# Altium PCB novena_evt1_a.PcbDoc (part 12 of 12)
Units mm, origin at the board's own origin, x right, y up, seen from the top; angles counter-clockwise.
Board outline 121 x 150 mm, 10 copper layers (Top, L2-GND, L3, L4, L5-PWR, L6-PWR, L7, L8, L9-GND, Bot), stack 1.621 mm thick; 951 components, 714 nets, 4891 pads, 2105 vias.
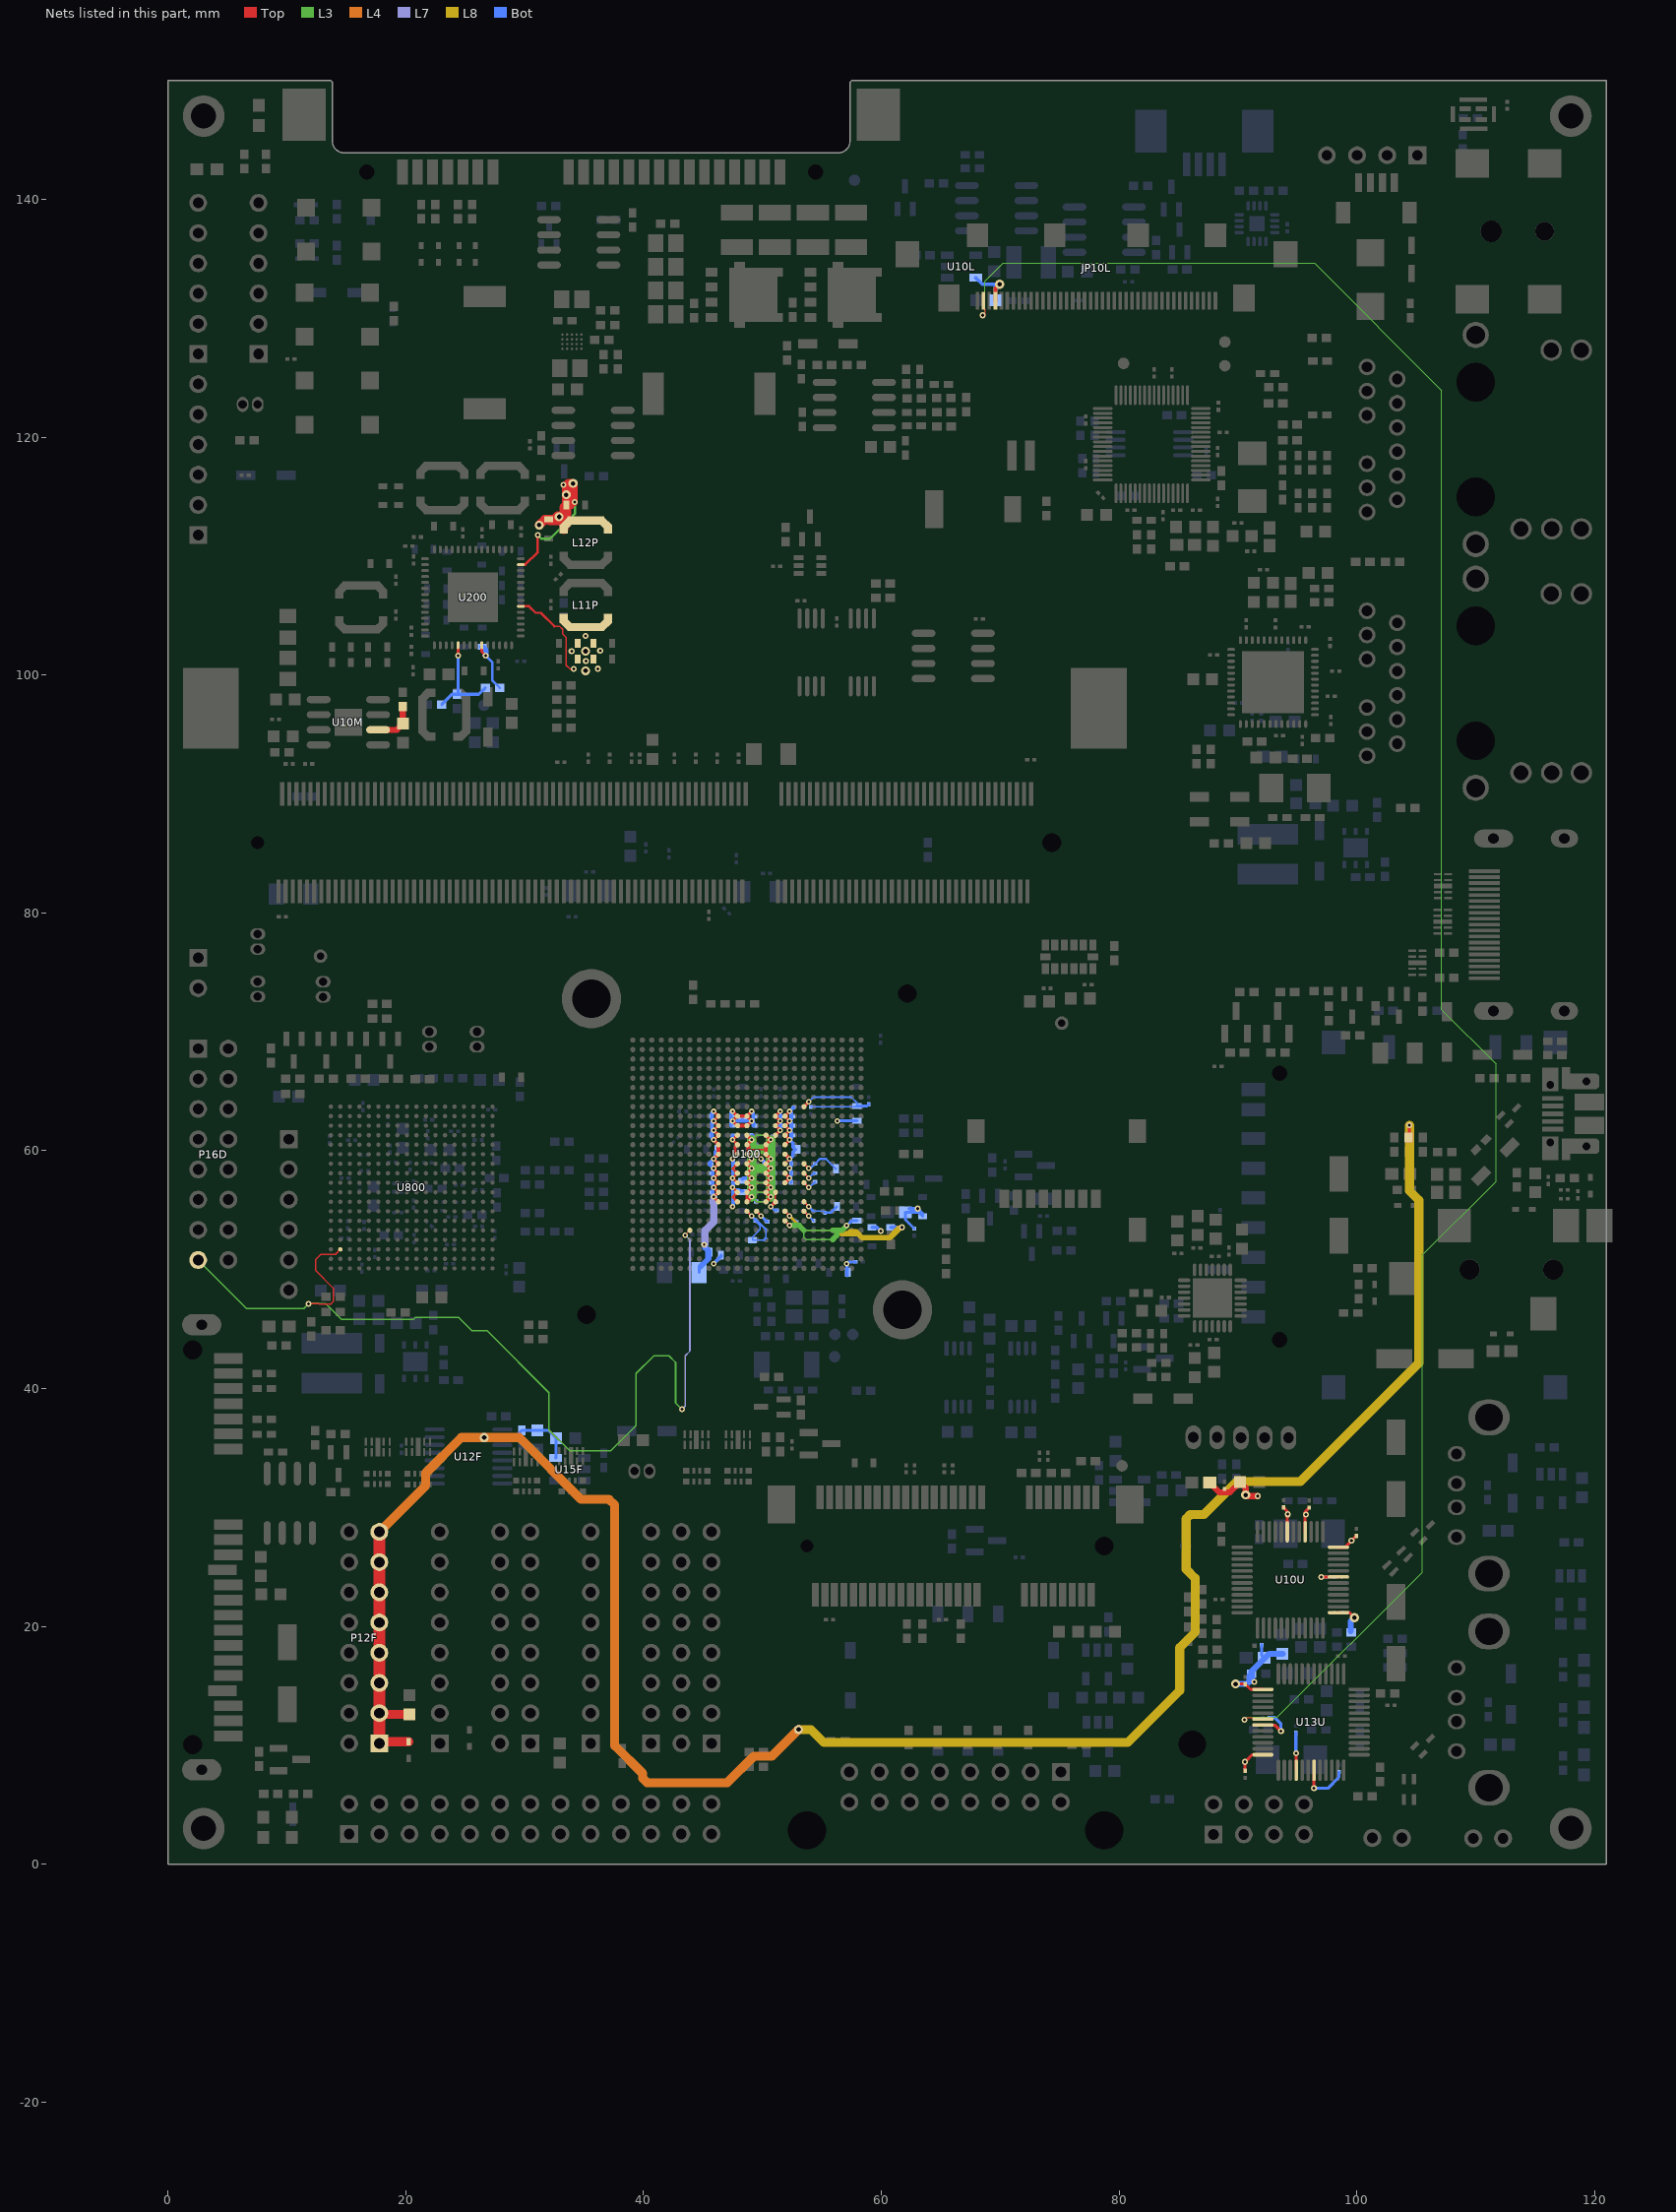
[diagram p20: the nets of this part, all layers, seen from the top]

## Via types
v1: diameter 0.508, hole 0.254, Top to Bot, tented both sides, 940 vias
v2: diameter 0.457, hole 0.203, Top to Bot, tented both sides, 793 vias
v3: diameter 0.762, hole 0.381, Top to Bot, tented both sides, 325 vias
v4: diameter 0.66, hole 0.33, Top to Bot, tented both sides, 23 vias
v5: diameter 0.66, hole 0.33, Top to Bot, tented top, 16 vias
v6: diameter 0.5, hole 0.254, Top to Bot, tented both sides, 8 vias

## Nets (pads, with @x,y where several pads share a name; then routed paths per layer and width w, separated by ;. In a path a pad name is that pad's centre, name@x,y a point inside that pad or via, vN(x,y) a via of type N, cw(c..) or ccw(c..) an arc to the next point about the centre after c; other vN are vias at no path point) (continued)
USB_VID_P: JP10L.40 U13U.6 | length 173.1
  Top w0.095: JP10L.40@68.6,131.475 68.6,130.842 68.75,130.692 v1@68.75,130.217 ; v1@90.525,12.346 91.204,12.346 91.35,12.2 U13U.6@92.1,12.2
  L3 w0.101: v1@68.734,130.275 68.734,133.1 70.259,134.625 96.425,134.625 107.125,123.925 107.125,71.85 111.7,67.275 111.7,57.4 105.516,51.216 105.516,24.55 93.316,12.35 90.575,12.35 v1@90.55,12.325
  other v1: 90.55,12.15 68.536,130.245
USB_VID_P5V: C16L.1 JP10L.38 U10L.5 | length 5.6
  Top w0.305: JP10L.38@69.6,131.475 69.6,132.5 v3(69.95,132.85)
  Bot w0.305: U10L.5@67.95,133.4 68.5,132.85 69.525,132.85 ; C16L.1@69.6,131.5 69.6,132.425 ; v3@69.925,132.75 69.6,132.425 ; v3(69.95,132.85) 69.525,132.85 ; 69.525,132.85 69.6,132.775 69.6,132.425
USBA_P3.3VA: C12U.1 C13U.1 C14U.1 C15U.1 C16U.1 C17U.1 C18U.1 L10U.2 R13U.1 U10U.1 U10U.7 U10U.12 U10U.16 U10U.19 | length 18.4
  Top w0.254: C16U.1@93.825,30 94.15,29.675 U10U.19@94.15,27.95 ; U10U.16@95.65,27.95 95.65,29.625 C17U.1@96,29.975 ; v1(97,24.15) U10U.7@98.45,24.15 ; U10U.1@98.45,21.15 99.375,21.15 v3(99.8,20.725) ; U10U.12@98.45,26.65 99,26.65 C14U.1@99.95,27.6
  Top w0.508: L10U.2@87.625,32.075 88.425,31.275 89.325,31.275 C18U.1@90.175,32.125 90.65,31.65 v3(90.65,31.05) 90.75,30.95 v1(91.675,30.95)
  Bot w0.254: v1(97,24.15) C12U.1@98.15,24.15 ; C15U.1@98.75,21.15 99.375,21.15 v3(99.8,20.725)
  Bot w0.508: R13U.1@99.5,19.6 99.5,20.425 v3(99.8,20.725)
  other v1: 99.55,27.2 95.725,29.4 94.175,29.425
USBB_P3.3VA: C39U.1 C40U.1 C41U.1 C42U.1 C43U.1 C44U.1 C45U.1 L13U.2 R31U.1 U13U.1 U13U.7 U13U.12 U13U.16 U13U.19 | length 23.3
  Top w0.254: v3@89.925,15.15 C42U.1@90.6,15.15 91.05,14.7 U13U.1@92.1,14.7 ; C43U.1@90.6,7.85 v1(90.6,8.6) 91.2,9.2 U13U.12@92.1,9.2 ; U13U.7@92.1,11.7 93.1,11.7 v1(93.625,11.175) ; U13U.16@94.9,7.9 v1(94.9,9.325) ; v1(96.4,6.375) U13U.19@96.4,7.9
  Bot w0.254: C41U.1@92,18.45 92,17.55 L13U.2@92.2,17.35 ; C44U.1@92.675,12.325 93.1,12.325 93.625,11.8 v1(93.625,11.175) ; C40U.1@94.875,11.05 94.875,9.35 v1(94.9,9.325) ; v1(96.4,6.375) 97.55,6.375 98.5,7.325 C39U.1@98.5,7.75
  Bot w0.508: v3(89.8,15.15) 90.75,15.15 90.95,15.35 ; C45U.1@93.75,17.7 92.65,17.7 91.15,16.2 R31U.1@91.15,16 ; 90.95,15.35 90.95,15.8 R31U.1@91.15,16 ; 90.95,15.35 91.15,15.55 R31U.1@91.15,16
  other v1: 91.375,15.325
VANA: C68F.1 C69F.1 C70F.1 C72F.2 D18F.1 P12F.1 P12F.3 P12F.5 P12F.7 P12F.9 P12F.11 P12F.13 P12F.15 R28A.2 U12F.2 U15F.5 | length 192.2
  Top w0.254: R28A.2@104.35,61.1 104.425,61.175 v1(104.425,62.125)
  Top w0.762: P12F.1@17.78,10.16 17.92,10.3 D18F.1@20.25,10.3 ; P12F.3@17.78,12.7 17.88,12.6 C72F.2@20.3,12.6
  Top w1.016: P12F.1@17.78,10.16 P12F.3@17.78,12.7 P12F.5@17.78,15.24 P12F.7@17.78,17.78 P12F.9@17.78,20.32 P12F.11@17.78,22.86 P12F.13@17.78,25.4 P12F.15@17.78,27.94
  L4 w0.762: P12F.15@17.78,27.94 21.675,31.835 21.675,32.875 24.675,35.875 v3(26.6,35.875) 29.55,35.875 34.75,30.675 37.1,30.675 37.575,30.2 37.575,9.975 39.925,7.625 39.925,7.225 40.3,6.85 47.05,6.85 49.275,9.075 50.8,9.075 v3(53.05,11.325)
  L8 w0.762: v3(53.05,11.325) 54.075,11.325 55.175,10.225 80.725,10.225 85.1,14.6 85.1,18.2 86.4,19.5 86.4,24.05 85.65,24.8 85.65,29.05 86,29.4 87.125,29.4 89.9,32.175 95.25,32.175 105.225,42.15 105.225,55.825 104.425,56.625 v1(104.425,62.125)
  Bot w0.254: v3(26.6,35.875) 26.625,35.9 U12F.2@28.125,35.9 29.2,35.9 C69F.1@29.775,36.475 C68F.1@31.075,36.475 32,36.475 C70F.1@32.65,35.825 32.65,34.2 U15F.5@32.6,34.15
VCC_1.2V_SW1AB: C13C.1 C14C.1 C15C.1 C16C.1 C17C.1 C18C.1 C30C.1 C31C.1 C32C.1 C32P.1 C33C.1 C33P.1 C34C.1 C34P.1 C35P.1 C89C.1 C90C.1 C91C.1 C92C.1 C93C.1 L11P.1 U100.H14 U100.J14 U100.K9 U100.K14 U100.L9 U100.L14 U100.M9 U100.M14 U100.N9 U100.N14 U100.P9 U100.P14 U100.R9 U100.R14 U100.T9 U100.U9 U200.6 | length 34.9
  Top w0.119: U100.M9@51.9,58.9 v2(52.3,59.3)
  Top w0.127: 32.5,104.1 32.933,104.1 33.2,103.833 33.2,103.45 33.5,103.15 33.5,101.425 33.5,100.825 33.825,100.5 v1(34.125,100.5)
  Top w0.203: U200.6@29.675,105.775 30.372,105.775 30.922,105.225 31.375,105.225 32.5,104.1 ; L11P.1@33.143,104.593 L11P.1@33.3,104.75
  Top w0.254: v2(47.5,56.9) U100.J14@47.9,56.5 47.5,56.1 U100.H14@47.9,55.7 ; v2(47.5,59.3) U100.N14@47.9,59.7 47.709,59.891 47.709,60.309 U100.P14@47.9,60.5 v2(47.5,60.9) U100.R14@47.9,61.3 ; U100.K14@47.9,57.3 v2(47.5,57.7) U100.L14@47.9,58.1 47.5,58.5 U100.M14@47.9,58.9 ; U100.P9@51.9,60.5 v2(52.3,60.9) U100.R9@51.9,61.3 v2(52.3,61.7) U100.T9@51.9,62.1 v2(52.3,62.5) U100.U9@51.9,62.9 v2(52.3,63.3)
  Top w0.305: U100.K9@51.9,57.3 v2(52.3,57.7) U100.L9@51.9,58.1 ; U100.N9@51.9,59.7 v2(52.3,59.3)
  Bot w0.254: v2(52.3,59.3) 52.433,59.167 52.433,58.633 v2(52.3,58.5) 52.433,58.367 52.433,57.833 v2(52.3,57.7) 52.433,57.567 C92C.1@52.433,57.3
  Bot w0.305: v2(45.9,50.5) 46.525,51.125 C17C.1@46.525,51.2 ; v2(47.5,55.3) 47.55,55.35 C31C.1@47.55,55.7 C32C.1@47.55,56.5 47.55,59.25 v2(47.5,59.3) ; v2(47.5,60.9) 47.5,61.167 47.525,61.142 C90C.1@47.525,61.3 ; 47.65,56.675 47.995,56.675 48.066,56.603 C18C.1@48.323,56.603 ; v2(52.3,59.3) 52.562,59.562 52.562,59.889 52.766,60.094 52.562,60.298 52.562,60.638 v2(52.3,60.9) 52.433,61.033 52.433,61.567 v2(52.3,61.7) 52.433,61.833 52.433,62.367 v2(52.3,62.5) 52.433,62.633 52.433,63.167 v2(52.3,63.3) 52.3,63.325 C89C.1@52.625,63.65
  other v1: 36.15,100.525 35.15,101.175 33.95,102 36.35,102.025 35.125,103.275
  other v3: 35.125,100.35 35.125,102
VCOREDIG: C46P.1 R15P.2 U200.51 | length 5.1
  Top w0.254: U200.51@26.4,102.5 26.4,101.95 v1(26.725,101.625)
  Bot w0.203: v1(26.725,101.625) 27.275,101.075 27.275,99.55 R15P.2@27.9,98.925
  Bot w0.508: C46P.1@26.425,102.375 26.725,102.075 v1(26.725,101.625)
VDD_ARM_CAP: C10C.1 C11C.1 C12C.1 C19C.1 C20C.1 C21C.1 C22C.1 C23C.1 C24C.1 C26C.1 C27C.1 C29C.1 U100.H11 U100.H13 U100.J11 U100.J13 U100.K11 U100.K13 U100.L11 U100.L13 U100.M11 U100.M13 U100.N11 U100.N13 U100.P11 U100.P13 U100.R11 U100.R13 | length 72
  Top w0.127: 48.828,60.075 48.853,60.1 50.3,60.1
  Top w0.254: U100.N13@48.7,59.7 v2(49.1,59.3) U100.M13@48.7,58.9 v2(49.1,58.5) U100.L13@48.7,58.1 v2(49.1,57.7) U100.K13@48.7,57.3 v2(49.1,56.9) U100.J13@48.7,56.5 U100.H13@48.7,55.7 v2(49.1,56.1)
  Top w0.305: U100.N13@48.7,59.7 48.828,59.828 48.828,60.075 48.828,60.372 U100.P13@48.7,60.5 v2(49.1,60.9) U100.R13@48.7,61.3 ; U100.H11@50.3,55.7 U100.H11@50.309,55.7 ; U100.R11@50.3,61.3 v2(50.7,60.9) U100.P11@50.3,60.5 50.3,60.1 U100.N11@50.3,59.7 v2(50.7,59.3) U100.M11@50.3,58.9 v2(50.7,58.5) U100.L11@50.3,58.1 v2(50.7,57.7) U100.K11@50.3,57.3 v2(50.7,56.9) U100.J11@50.3,56.5 50.303,56.5 U100.J11@50.403,56.4 ; U100.J11@50.309,56.5 v2(50.709,56.1) U100.H11@50.309,55.7 ; U100.H11@50.403,55.791 50.312,55.7 U100.H11@50.309,55.7
  L3 w0.127: v2(49.1,56.1) 49.5,55.7 49.825,55.7 49.831,55.706 50.315,55.706 v2(50.709,56.1) ; 49.1,56.5 50.709,56.5 ; 49.1,57.3 50.709,57.3 ; v2(49.1,60.9) 49.494,61.294 50.306,61.294 v2(50.7,60.9)
  L3 w0.762: v2(49.1,56.1) 49.1,56.5 v2(49.1,56.9) 49.1,57.3 v2(49.1,57.7) v2(49.1,58.5) ; v2(49.1,60.9) 49.1,60.15 ; v2(50.7,58.5) v2(49.1,58.5) ; v2(50.7,60.9) 50.709,60.891 50.709,60.125 ; v2(50.709,56.1) 50.709,56.5 50.709,57.3 50.709,60.125 ; v2(49.1,58.5) v2(49.1,59.3) 49.1,60.15 ; 49.1,60.15 49.125,60.125 50.709,60.125
  L8 w0.127: v2(49.1,56.1) 49.5,55.7 50.3,55.7 v2@50.7,56.1 ; 49.1,56.5 50.7,56.5 ; 49.1,57.3 49.106,57.294 50.306,57.294 v2(50.7,56.9) ; v2(49.1,60.9) 49.494,61.294 50.306,61.294 v2(50.7,60.9)
  L8 w0.762: v2(49.1,56.1) 49.1,56.5 v2(49.1,56.9) 49.1,57.3 v2(49.1,57.7) v2(49.1,58.5) v2(49.1,59.3) 49.1,60.125 ; v2(49.1,60.9) 49.1,60.125 ; v2@49.15,58.5 v2(50.7,58.5) ; v2@50.7,56.1 50.7,56.5 v2(50.7,56.9) v2(50.7,57.7) v2(50.7,58.5) ; v2(50.7,60.9) 50.7,60.075 ; 49.1,60.125 49.15,60.075 50.7,60.075 ; v2(50.7,58.5) v2(50.7,59.3) 50.7,60.075
  Bot w0.254: v2(49.1,56.1) C12C.1@49.475,55.725 ; v2(50.7,58.5) 50.833,58.367 50.833,57.833 v2(50.7,57.7) 50.833,57.567 50.833,57.033 v2(50.7,56.9) 50.833,56.767 C20C.1@50.833,56.5 ; v2(50.7,59.3) 50.7,59.304 50.581,59.423 50.581,59.892 50.379,60.094 50.581,60.296 50.581,60.781 v2(50.7,60.9) 50.825,61.025 C19C.1@50.825,61.2 ; C20C.1@50.95,56.5 50.709,56.259 v2(50.709,56.1) 51.125,55.684 C21C.1@51.125,55.675
  Bot w0.305: C29C.1@48.326,57.628 48.398,57.7 v2(49.1,57.7) ; v2(49.1,56.1) 49.379,56.379 49.379,56.621 v2(49.1,56.9) 49.379,57.179 49.379,57.421 v2(49.1,57.7) ; C10C.1@49.157,61.299 49.182,60.982 v2(49.1,60.9) 49.875,60.125 ; C22C.1@50.4,60.125 49.875,60.125 ; v2(49.1,57.7) 49.379,57.979 49.379,58.221 v2(49.1,58.5) v2(49.1,59.3) 49.875,60.075 49.875,60.125
  Bot w0.381: v2(50.7,58.5) v2(50.7,59.3)
VDD_HIGH_CAP: C11L.1 C20H.1 C21H.1 C22L.1 C23L.1 C27X.1 C28X.1 C63C.1 C64C.1 C65C.1 C66C.1 C74C.1 U100.G7 U100.G12 U100.H10 U100.J10 U100.K7 U100.M7 U100.V7 | length 22.3
  Top w0.119: U100.H10@51.1,55.7 U100.J10@51.1,56.5
  Top w0.178: U100.G12@49.5,54.9 v2(49.9,54.5) ; U100.G7@53.5,54.9 v2(53.9,54.5) ; U100.K7@53.5,57.3 v2(53.9,56.9) ; U100.M7@53.5,58.9 v2(53.9,58.5)
  Top w0.254: U100.V7@53.5,63.7 v2(53.9,64.1)
  Top w0.305: v2(50.7,55.3) U100.H10@51.1,55.7
  Bot w0.127: v2(53.9,64.1) 54.3,64.5 57.475,64.5 57.95,64.025 C20H.1@57.95,63.75 57.9,63.7 54.1,63.7 C63C.1@54.075,63.675
  Bot w0.178: v2(50.7,55.3) 51,55 C28X.1@51.2,55 ; v2(53.9,54.5) C64C.1@54.3,54.1 ; v2(53.9,56.9) 53.95,56.9 C11L.1@54.425,57.375 ; v2(53.9,58.5) 54.025,58.5 C21H.1@54.425,58.9 54.825,59.3 55.35,59.3 C65C.1@56.175,58.475
  Bot w0.254: v2(49.9,54.5) 50.375,54.025 C66C.1@50.425,54.025 ; v2(57.1,50.5) v2@57.25,50.65 ; C27X.1@57.125,49.475 57.125,50.525 v2@57.25,50.65 ; C74C.1@57.85,50.65 v2@57.25,50.65 ; C20H.1@57.95,63.75 58.8,63.75 C23L.1@58.95,63.9 ; C22L.1@59.2,53.55 59.65,53.55 v1(59.95,53.25)
VDD_SNVS_CAP: C69C.1 C70C.1 U100.G9 | length 20.4
  Top w0.178: U100.G9@51.9,54.9 v2(52.3,54.5)
  L8 w0.127: 53.5,53.3 55.925,53.3
  L8 w0.254: v2(52.3,54.5) 53.5,53.3 ; 55.925,53.3 56.238,53.3 ; 56.238,53.3 56.613,52.925 57.975,52.925 ; 56.238,53.3 56.55,53.3 56.725,53.125 57.172,53.125 ; 57.172,53.125 57.347,53.3 57.9,53.3 58.075,53.125 ; 57.172,53.125 57.775,53.125 ; 57.775,53.125 58.075,53.125 ; 57.775,53.125 57.975,52.925 ; 57.975,52.925 58.3,52.6 60.8,52.6 v1(61.75,53.55) 61.4,53.55 60.617,52.767 58.433,52.767 58.075,53.125
  Bot w0.203: v2(52.3,54.5) 52.584,54.216 52.663,54.216 C70C.1@52.904,53.975
  Bot w0.254: C69C.1@60.8,53.55 v1(61.75,53.55)
VDD_SOC_IN_SW1C: C40P.1 C41P.1 C43C.1 C44C.1 C45C.1 C46C.1 C47C.1 C48C.1 C49C.1 C50C.1 C51C.1 C52C.1 L12P.1 U100.H16 U100.J16 U100.K16 U100.L16 U100.M16 U100.N16 U100.P16 U100.R16 U100.T16 U100.U16 U200.13 | length 47.6
  Top w0.203: U200.13@29.675,109.275 30.05,109.275 31.1,110.325 v1(31.1,111.775)
  Top w0.254: v2(45.9,59.3) U100.M16@46.3,58.9 v2(45.9,58.5) U100.L16@46.3,58.1 v2(45.9,57.7) U100.K16@46.3,57.3 v2(45.9,56.9) U100.J16@46.3,56.5 v2(45.9,56.1) U100.H16@46.3,55.7 ; v2(45.9,60.9) U100.R16@46.3,61.3 v2(45.9,61.7) U100.T16@46.3,62.1 v2(45.9,62.5) U100.U16@46.3,62.9 v2(45.9,63.3)
  Top w0.305: v2(45.9,59.3) U100.N16@46.3,59.7 U100.P16@46.3,60.5 v2(45.9,60.9)
  Top w0.762: v3(31.225,112.6) 31.7,113.075 C41P.1@32.025,113.075 ; L12P.1@33.3,112.25 33.3,112.975 32.125,112.975 C41P.1@32.025,113.075 ; L12P.1@33.55,112.725 33.55,114.25 C40P.1@33.5,114.3 ; C41P.1@32.025,113.075 32.475,113.075 32.775,113.375 33.3,113.375 33.3,114.1 C40P.1@33.5,114.3 ; C40P.1@33.5,114.3 v3(33.5,115.15) 33.5,115.9 33.7,116.1 v3(34.075,116.1) 34.075,114.55 33.825,114.3 C40P.1@33.5,114.3
  L3 w0.203: v1(31.1,111.775) 31.425,111.45 32.125,111.45 34.225,113.55 v1(34.225,114.525)
  L7 w0.635: v2@45.176,52.1 45.176,53.276 45.9,54 v2(45.9,56.1)
  Bot w0.254: C52C.1@44.675,49.75 C52C.1@44.675,50 ; C52C.1@44.675,50 45.575,50.9 C50C.1@45.575,51.475 45.575,51.625 v2(45.1,52.1) 45.05,52.05 45.05,51.825 45.325,51.55 45.325,50.925 44.675,50.275 C52C.1@44.675,50
  Bot w0.305: C45C.1@45.819,55.7 45.819,56.019 v2(45.9,56.1) 45.819,56.181 45.819,56.819 v2(45.9,56.9) 45.819,56.981 45.819,57.619 v2(45.9,57.7) 45.819,57.781 45.819,58.419 v2(45.9,58.5) 45.55,58.85 45.55,58.95 v2(45.9,59.3) 46.05,59.45 C51C.1@46.05,59.859 ; v2(45.9,60.9) 45.767,61.033 45.767,61.567 v2(45.9,61.7) 45.767,61.833 45.767,62.367 v2(45.9,62.5) 45.767,62.633 45.767,63.167 v2(45.9,63.3)
  other v1: 33.275,115.975
  other v3: 32.9,113.3
VDDOTP: R15P.1 R16P.2 R17P.2 U200.47 | length 8.4
  Top w0.254: v1(24.4,101.625) U200.47@24.4,102.5
  Bot w0.254: R16P.2@23.025,97.5 23.9,98.375 R17P.2@24.3,98.375 ; v1(24.4,101.625) 24.4,98.475 R17P.2@24.3,98.375 ; R15P.1@26.7,98.925 26.15,98.375 R17P.2@24.3,98.375
VDDSOC_CAP: C15H.1 C16H.1 C19X.1 C20L.1 C20X.1 C21L.1 C35C.1 C36C.1 C37C.1 C38C.1 C39C.1 C40C.1 C41C.1 C42C.1 C61C.1 C62C.1 L10X.1 U100.G13 U100.H7 U100.L7 U100.N12 U100.R10 U100.T10 U100.T13 U100.T14 U100.U10 U100.U13 U100.U14 | length 33.8
  Top w0.178: U100.G13@48.7,54.9 v2(49.1,54.5) ; U100.H7@53.5,55.7 v2(53.9,55.3) ; U100.L7@53.5,58.1 v2(53.9,57.7)
  Top w0.254: v2(47.5,62.5) U100.U14@47.9,62.9 ; U100.U13@48.7,62.9 v2(49.1,62.5) ; U100.R10@51.1,61.3 v2(51.5,61.7) U100.T10@51.1,62.1 v2(51.5,62.5) U100.U10@51.1,62.9 v2(51.5,63.3)
  Top w0.305: v2(47.5,62.5) 47.685,62.315 ; v2(47.5,63.3) U100.U14@47.9,62.9 U100.U13@48.7,62.9 v2(49.1,63.3) ; v2(49.1,62.5) U100.T13@48.7,62.1 U100.T14@47.9,62.1 ; U100.N12@49.5,59.7 49.506,59.7 v2(49.9,59.306) ; 47.685,62.315 U100.T14@47.9,62.1 ; 47.685,62.315 U100.T14@47.9,62.1
  Bot w0.127: C37C.1@49.375,54.125 49.8,53.7 49.8,53.375 49.175,52.75 C20L.1@49.175,52.475 49.194,52.494 50.063,52.494 50.076,52.48 50.13,52.48 ; 50.3,52.65 50.3,53.375 ; 54.3,54.9 C20X.1@55.175,54.9
  Bot w0.178: v2(53.9,57.7) 54.3,58.1 C35C.1@54.425,58.1
  Bot w0.203: v2(49.1,54.5) 49.375,54.225 C37C.1@49.375,54.125 49.55,54.125 50.3,53.375 ; 50.13,52.48 50.3,52.65 ; v2(53.9,55.3) 54.3,54.9 ; C20X.1@55.275,54.775 55.75,54.775 C15H.1@56.275,55.3
  Bot w0.254: v2(56.3,62.5) C19X.1@57.95,62.5 ; C40C.1@62.775,53.45 62.025,54.2 L10X.1@62.025,54.8 62.7,54.8 ; 62.7,54.8 62.4,55.1 62.325,55.1 62.35,55.125 v1@62.85,55.125 ; 62.7,54.8 62.75,54.8 ; 62.7,54.8 62.7,54.925 62.675,54.95 v1@62.85,55.125 ; 62.75,54.8 v1(63.075,55.125) ; 62.75,54.8 63.175,54.8 C61C.1@63.475,54.5 63.475,54.725 v1(63.075,55.125) ; v1@62.85,55.125 v1(63.075,55.125)
  Bot w0.305: C41C.1@47.367,62.1 47.367,62.367 v2(47.5,62.5) ; v2(47.5,63.3) 47.367,63.167 47.367,62.633 v2(47.5,62.5) ; v2(49.1,63.3) 49.208,63.192 49.208,62.608 v2(49.1,62.5) ; C39C.1@49.233,62.1 49.233,62.367 v2(49.1,62.5) ; v2(49.9,59.306) 50.148,59.058 C36C.1@50.148,58.811 ; v2(51.5,61.7) v2(51.5,62.5) v2(51.5,63.3) ; v2(47.5,62.5) 48.24,62.5 48.3,62.56 48.36,62.5 v2(49.1,62.5)
VDDUSB_CAP: C33U.1 C34U.1 U100.F9 | length 11.3
  Top w0.178: U100.F9@51.9,54.1 v2(52.3,53.7)
  L3 w0.127: 55.925,52.525 55.906,52.506 53.669,52.506 53.5,52.675 53.5,53.3 55.925,53.3
  L3 w0.457: v2(52.3,53.7) 53.1,53.7 53.5,53.3 ; 55.925,52.525 56.25,52.85 56.25,53.3 ; 55.925,53.3 56.25,53.3 ; v2(57.1,53.7) 56.7,53.3 56.25,53.3
  Bot w0.254: C33U.1@56.725,53.275 57.1,53.65 v2(57.1,53.7) 57.5,54.1 C34U.1@57.95,54.1
VTT_VCNTL: C54M.1 R13M.2 U10M.6 | length 3.8
  Top w0.508: U10M.6@17.675,95.39 19.265,95.39 C54M.1@19.775,95.9 19.75,95.925 R13M.2@19.75,97.35
WDOG_RST_B: P16D.15 U100.E19 U800.U16 | length 83.8
  Top w0.102: v2(43.5,52.9) U100.E19@43.9,53.3
  Top w0.127: v1(11.825,47.125) 12.725,47.125 12.75,47.1 13.7,47.1 13.75,47.15 13.75,47.167 13.9,47.317 13.9,48.448 12.425,49.923 12.425,50.85 12.85,51.275 14.075,51.275 U800.U16@14.5,51.7
  L3 w0.127: P16D.15@2.54,50.8 6.615,46.725 11.425,46.725 v1(11.825,47.125) 13.3,47.125 14.625,45.8 20.65,45.8 20.825,45.975 24.45,45.975 25.575,44.85 26.85,44.85 32.05,39.65 32.05,36.5 33.775,34.775 37.25,34.775 39.375,36.9 39.375,41.25 40.875,42.75 42.15,42.75 42.7,42.2 42.7,38.775 v1(43.225,38.25)
  L7 w0.127: v1(43.225,38.25) 43.5,38.525 43.5,42.75 43.9,43.15 43.9,50.45 43.9,52.5 v2(43.5,52.9)
pads on no net: J10H.0 J10H.1 J10H.2 J10H.3 J10L.14 J10N.0 J10N.7 J10N.8 J10N.9 J10N.13 J10N.14 J10N.15 J10S.0 J12A.0 JP10E.0 JP10G.0 JP10L.0 JP10M.0 JP10M.77 JP10M.122 JP10M.125 JP10N.0 JP10S.0 JP10X.0 JP10X.3 JP10X.5 JP10X.17 JP10X.19 JP10X.45 JP10X.47 JP10X.49 JP10X.51 P10D.2 P10D.3 P10D.6 P12A.0 P12U.0 P12U.5 U10D.3 U10D.9 U10D.10 U10D.11 U10D.12 U10E.23 U10E.25 U10E.26 U10E.28 U10E.29 U10E.30 U10E.31 U10E.32 U10E.33 U10E.34 U10E.35 U10E.41 U10E.42 U10E.43 U10E.61 U10G.43 U10M.5 U10M.7 U10M.8 U10U.23 U10U.28 U10U.29 U10U.40 U10U.41 U10U.45 U10U.46 U10X.0 U11A.21 U11A.22 U11D.7 U11D.8 U11D.12 U11E.7 U13U.23 U13U.32 U13U.35 U13U.45 U13U.46 U15F.4 U100.A9 U100.A10 U100.A11 U100.A16 U100.A17 U100.A18 U100.A19 U100.A20 U100.AA3 U100.AA4 U100.B8 U100.B9 U100.B10 U100.B11 U100.B16 U100.B17 U100.B18 U100.B19 U100.B20 U100.C13 U100.C15 U100.C16 U100.C17 U100.C18 U100.C19 U100.D1 U100.D2 U100.D13 U100.D16 U100.D17 U100.D18 U100.D19 U100.E1 U100.E2 U100.E3 U100.E4 U100.E13 U100.E15 U100.E16 U100.E17 U100.E18 U100.F1 U100.F2 U100.F3 U100.F4 U100.F13 U100.F15 U100.F16 U100.F17 U100.F23 U100.G1 U100.G2 U100.H1 U100.H2 U100.H3 U100.H4 U100.H21 U100.K21 U100.K23 U100.L6 U100.M4 U100.M5 U100.M6 U100.N19 U100.P1 U100.P6 U100.R1 U100.R2 U100.R3 U100.R4 U100.R5 U100.R7 U100.T2 U100.T3 U100.T4 U100.U20 U100.U21 U100.W1 U100.W2 U100.W20 U100.W21 U100.W22 U200.33 U800.A13 U800.A16 U800.B2 U800.C6 U800.C12 U800.C13 U800.D6 U800.D12 U800.E6 U800.E7 U800.E8 U800.E11 U800.E12 U800.F1 U800.F2 U800.F3 U800.F4 U800.F5 U800.F6 U800.F7 U800.F8 U800.F10 U800.F11 U800.F12 U800.F15 U800.G6 U800.G8 U800.G11 U800.G13 U800.H1 U800.H2 U800.H3 U800.H4 U800.H5 U800.H6 U800.H7 U800.H13 U800.H14 U800.H15 U800.J1 U800.J3 U800.J6 U800.J7 U800.J13 U800.J16 U800.K2 U800.K3 U800.K4 U800.K5 U800.K6 U800.K12 U800.K13 U800.K14 U800.K15 U800.L1 U800.L2 U800.L3 U800.L4 U800.L5 U800.L6 U800.L7 U800.L12 U800.L13 U800.L14 U800.L17 U800.L18 U800.M1 U800.M3 U800.M5 U800.M8 U800.M10 U800.M11 U800.M13 U800.M14 U800.M16 U800.M18 U800.N5 U800.N6 U800.N7 U800.N8 U800.N9 U800.N10 U800.N11 U800.N14 U800.N15 U800.N16 U800.P6 U800.P7 U800.P8 U800.P11 U800.P12 U800.P13 U800.P15 U800.P16 U800.R3 U800.R5 U800.R7 U800.R8 U800.R10 U800.R11 U800.T3 U800.T4 U800.T5 U800.T6 U800.T7 U800.T8 U800.T9 U800.T10 U800.T11 U800.T12 U800.T13 U800.T14 U800.T17 U800.T18 U800.U5 U800.U7 U800.U8 U800.U10 U800.U11 U800.U13 U800.U15 U800.V3 U800.V4 U800.V5 U800.V6 U800.V7 U800.V8 U800.V9 U800.V10 U800.V11 U800.V12 U800.V13 U800.V14 U800.V15 U800.V16 Y10B.3 Y10B.4

## Polygon pours and split planes (outlines as drawn)
BATT_PWR on Top "Top Layer-No Net" (solid, remove dead copper, pour order 21): 56.025,133.7 58.425,133.7 59.4,132.725 63.55,132.725 64.8,133.975 64.8,140.825 61.2,144.425 49.45,144.425 48.7,143.675 49.525,142.85 49.525,135.75 53.85,135.75 55.975,133.625
BATT_PWR on Top "Top Layer-No Net" (solid, remove dead copper, pour order 18): 18 vertices, not listed, extent 61.3,132.725 102.225,148.175
GND on Top "Top Layer-No Net" (solid, remove dead copper, pour order 20): 2.725,-6.475 118.825,-6.475 130.45,5.15 130.45,142.85 117.65,155.65 1.1,155.65 -5.3,149.25 -5.3,2.05 2.575,-5.825
P1.5V_VGEN2 on L7 "bottom - GND" (solid, remove dead copper, pour order 19): 41 vertices, not listed, extent 38.3,60.925 80.2,111.325
P2.5V_VGEN5 on L7 "bottom - GND" (solid, remove dead copper, pour order 23): 60 vertices, not listed, extent 14.15,90.975 92.75,124.75
VDD_SOC_IN_SW1C on L7 "bottom - GND" (solid, remove dead copper, pour order 28): 44.625,52.075 45.875,52.075 46.7,52.9 46.7,56.05 46.55,56.2 45.2,56.2 45.1,56.1 44.325,55.325 44.325,54.512 44.325,52.4 44.625,52.1
P1.5V_VGEN2 on L8 "bottom - GND" (solid, remove dead copper, pour order 24): 27.575,105.4 35.75,105.4 37.5,107.15 38.15,107.8 39.925,107.8 41.4,109.275 41.4,111.15 39.35,113.2 39.225,113.2 27.775,113.2 27.025,112.45 27.025,105.875 27.525,105.375
P2.5V_VGEN5 on L8 "bottom - GND" (solid, remove dead copper, pour order 25): 48.55,53.357 48.55,60.893 47.125,62.4 43.15,62.4 42.8,62.03 42.8,60.87 43.1,60.553 43.475,60.156 43.475,59.333 43.475,54.957 44.325,54.058 45.112,53.225 48.375,53.225 48.45,53.225 48.55,53.331
VDD_ARM_CAP on L8 "bottom - GND" (solid, remove dead copper, pour order 29): 48.7,61.325 49.3,61.925 50.35,61.925 51.275,61.925 51.5,61.7 51.5,55.9 50.85,55.25 49.15,55.25 48.7,55.7 48.7,61.325
P3.0V_VDDHIGH_SW2 on L8 "bottom - GND" (solid, remove dead copper, pour order 30): 22 vertices, not listed, extent 52.05,55.75 60.275,61.675
NetC23X_1 on L8 "bottom - GND" (solid, remove dead copper, pour order 31): 52.9,54.5 52.9,55.1 53.9,56.1 58.375,56.1 60.025,54.45 60.025,53.775 57.125,53.775 57.025,53.875 53.4,53.875 52.925,54.35 52.9,54.375 52.9,54.55
VDD_SNVS_CAP on L8 "bottom - GND" (solid, remove dead copper, pour order 32): 52.15,55 59.05,55 60.125,53.925 61.95,53.925 62.175,53.7 62.175,52.95 60.925,51.65 53.55,51.65 51.9,53.3 51.9,54.75
P3.0V_STBY on L8 "bottom - GND" (solid, remove dead copper, pour order 33): 24 vertices, not listed, extent 46.775,47.525 65.375,57.375
P0.75V_REFDDR on Bot "bottom - GND" (solid, remove dead copper, pour order 26): 28 vertices, not listed, extent 8.575,68.3 74.375,110.15
GND on Bot "bottom - GND" (solid, remove dead copper, pour order 22): -4.475,-4.55 119.85,-4.55 131.2,6.8 131.2,146.9 120.225,157.875 3.6,157.875 -3.325,150.95 -3.325,-3.975 -3.125,-4.175
P2.5V_VGEN5 on L4 "bottom - GND" (solid, remove dead copper, pour order 27): 28 vertices, not listed, extent 29.75,52.725 54.35,66.3
VDD_ARM_CAP on L3 "bottom - GND" (solid, remove dead copper, pour order 34): 48.275,55.225 51.075,55.225 51.5,55.65 51.5,61.3 51.15,61.65 48.425,61.65 48.075,61.3 48.075,55.45 48.275,55.25
GND on L2-GND (split plane): 43 vertices, not listed, extent 0.231,0.231 120.769,149.769
P2.5V_VGEN5 on L5-PWR (split plane): 33 vertices, not listed, extent 86.104,91.054 95.596,104.11
P1.5V_DDR_SW3 on L5-PWR (split plane): 126 vertices, not listed, extent 9.704,61.404 75.471,103.321
VDDSOC_CAP on L5-PWR (split plane): 51 vertices, not listed, extent 47.204,54.179 63.496,63.646
P2.5V_VGEN5 on L5-PWR (split plane): 98 vertices, not listed, extent 6.504,64.079 32.954,107.596
P3.3V_DELAYED on L5-PWR (split plane): 43 vertices, not listed, extent 0.231,0.231 120.769,149.769
EN1G_3.3VA on L6-PWR (split plane): 48 vertices, not listed, extent 94.029,92.908 101.896,107.446
EN1G_1.2VA on L6-PWR (split plane): 19 vertices, not listed, extent 92.779,93.529 98.996,102.146
EN100_D1.8V on L6-PWR (split plane): 51 vertices, not listed, extent 76.654,110.104 94.571,125.771
EN1G_P1.2V on L6-PWR (split plane): 47 vertices, not listed, extent 88.129,91.179 96.746,105.496
AUD_P3.3V on L6-PWR (split plane): 74 vertices, not listed, extent 80.7,41.254 106.471,62.746
USBA_P3.3VA on L6-PWR (split plane): 46 vertices, not listed, extent 89.929,19.929 100.446,31.996
MPCIE_3.3V on L6-PWR (split plane): 64 vertices, not listed, extent 53.254,20.179 78.371,35.971
USBB_P3.3VA on L6-PWR (split plane): 38 vertices, not listed, extent 89.229,5.929 97.346,15.771
VDD_SOC_IN_SW1C on L6-PWR (split plane): 135 vertices, not listed, extent 4.604,50.054 47.027,119.371
VDD_HIGH_CAP on L6-PWR (split plane): 56 vertices, not listed, extent 48.784,49.979 60.396,66.696
P5.0V on L6-PWR (split plane): 29 vertices, not listed, extent 29.004,127.646 41.646,138.346
P3.3V on L6-PWR (split plane): 84 vertices, not listed, extent 10.975,93.504 43.746,129.496
P5.0V_DELAYED on L6-PWR (split plane): 43 vertices, not listed, extent 0.231,0.231 120.769,149.769
VCC_1.2V_SW1AB on L6-PWR (split plane): 127 vertices, not listed, extent 9.254,49.929 75.421,104.221
P1.2V on L6-PWR (split plane): 41 vertices, not listed, extent 13.179,47.729 29.496,60.471
GND on L9-GND (split plane): 43 vertices, not listed, extent 0.231,0.231 120.769,149.769

## Keep-outs
Keep-Out Layer:
  lines w1: 13.835,149.85 13.685,150 7,150 0,150 0,0 121,0 121,150 57.515,150 57.365,149.85
  text "Board outline is centerline of artwork on this layer" at 84.4,-6.3 h1.52

## Other copper
Top:
  rectangle net GND: 107.125,139.775 119.825,144.575
  rectangle net P5.0V_DELAYED: 28.675,133.875 32.025,138.75
  rectangle net GND: 43.95,138.125 44.825,139.875
  rectangle net BATT_PWR: 48.525,140.75 52.825,142.05
  rectangle net GND: 40.575,139.625 44.85,140.975
  rectangle net GND: 37.2,139.6 40.55,141.675
  rectangle net P5.0V: 37.675,131.5 40.075,137.625
  rectangle net P5.0V: 39.825,124.475 41.725,138.4
  rectangle net REG5V_VSW: 48.35,125.025 51.1,130.1
  rectangle net GND: 43.95,137.025 46,138.275
  rectangle net GND: 42.375,130.8 46,137.025
  rectangle net GND: 44.675,138.275 48.1,141.375
  rectangle net GND: 44.675,137.15 58.95,140.15
  rectangle net BATT_PWR: 55.65,133.8 59.2,136.1
  rectangle net BATT_PWR: 46.475,135.225 59.2,136.9
  rectangle net P3.3V_DELAYED: 37,118.075 39.375,124.1
  rectangle net P5.0V: 29.475,129.6 32.925,132.6
  rectangle net GND: 34.175,130.45 34.7,131.025
  rectangle net GND: 33.825,129.15 34.7,130.55
  rectangle net GND: 33.825,128.375 34.15,129.8
  rectangle net GND: 33.825,123.525 34.55,128.375
  rectangle net NetL11N_1: 27,126.975 28.4,131.525
  rectangle net NetL11N_1: 27,126.975 33.7,127.975
  rectangle net P5.0V: 32.35,129.325 33.275,131.225
  rectangle net P5.0V: 32.35,128.1 33.7,129.325
  rectangle net P3.3V: 25.45,119.625 33.25,126.325
  rectangle net P1.5V_DDR_SW3: 14.675,99.975 17.7,103.825
  region net GND: 33,100.225 33,103.8 30.95,103.8 30.95,100.225
  rectangle net VCC_1.2V_SW1AB: 33.875,100.275 36.425,103.85
  region net GND: 18.05,103.45 18.05,99.875 20.1,99.875 20.1,103.45
  region net GND: 14.2,99.95 14.2,103.525 12.15,103.525 12.15,99.95
  region net GND: 20.475,114.675 16.9,114.675 16.9,112.625 20.475,112.625
  region net GND: 37.375,103.85 37.375,100.275 39.425,100.275 39.425,103.85
  rectangle net BATT_PWR: 63.475,136.75 65.025,140.75
  rectangle net BATT_PWR: 55.925,129.35 56.825,130.225
  rectangle net REG5V_VSW: 47.6,129.45 48.675,130.1
  pour cut-out: 117.5,114.75 118.75,114.75 118.75,124.5 117.5,124.5
  text "1" at 118.5,115 h0.76 r90
L3:
  text "3" at 118.5,116.75 h0.76 r90
L4:
  text "4" at 118.5,117.75 h0.76 r90
L7:
  text "7" at 118.5,120.75 h0.76 r90
L8:
  text "8" at 118.5,121.75 h0.76 r90
Bot:
  rectangle net P3.3V_DELAYED: 78.825,136.475 81.1,139.775
  rectangle net BATT_PWR: 63.575,136.9 67,140.35
  rectangle net GND: 17.4,41.45 20.525,43.05
  rectangle net GND: 21.8,42.65 23.525,43.05
  rectangle net P1.2V: 15.15,42.925 16.975,48.8
  rectangle net GND: 17.225,44.5 19.825,48.3
  pour cut-out: 117.5,114.75 118.75,114.75 118.75,124.5 117.5,124.5
  text "A" at 118.5,123.75 h0.76 r90
L2-GND (plane layer: these items are gaps in the copper):
  rectangle: 117.5,114.75 118.75,115.5
  rectangle: 117.5,116.5 118.75,124.5
  text "2" at 118.5,115.75 h0.76 r90
L5-PWR (plane layer: these items are gaps in the copper):
  rectangle: 117.5,114.75 118.75,118.5
  rectangle: 117.5,119.5 118.75,124.5
  lines w0.203: 29.95,63.975 32.925,63.975 33.1,64.15 ; 29.963,63.987 28.825,65.125 26.85,65.125 23,68.975 23,70.25 22.3,70.95 20.575,70.95 17.325,70.95 13.425,74.85 10.925,74.85 8.825,76.95 8.175,77.6 7.1,77.6 6.4,78.3 6.4,98.1 10.25,101.95 10.25,104.5 13.45,107.7 21.225,107.7 21.85,107.075 21.85,104.525 21.4,104.075 20.35,104.075 19.85,104.575 18.45,104.575 17.3,103.425 ; 38.125,64.046 39.104,64.046 39.45,63.7 42.075,63.7 42.325,63.45 43.075,62.7 43.075,62.3 43.275,62.1 43.65,62.1 43.925,61.825 43.925,61.425 44.05,61.3 45.3,61.3 45.525,61.525 45.525,63.525 45.725,63.725 48.875,63.725 52.825,63.725 52.85,63.75 56.475,63.75 56.7,63.525 56.7,62.275 ; 38.125,64.05 38.025,64.15 37.85,64.15 33.1,64.15 ; 47.1,55.775 47.1,55.15 ; 47.1,63.725 47.1,62.1 47.1,55.15 ; 55.925,63.825 55.925,65.625 55.925,66.3 56.125,66.5 60.875,66.5 62.225,67.85 62.225,68.275 75.575,81.625 75.575,90.6 72.125,94.05 50.125,94.05 48.825,95.35 21.55,95.35 17.9,99 17.9,102.825 17.3,103.425 ; 56.725,62.275 58.475,60.525 58.475,58.975 59.5,57.95 59.5,57.225 61.15,55.575 63.275,55.575 63.6,55.25 63.6,54.725 63.275,54.4 60.725,54.4 60.2,54.925 56.45,54.925 55.875,54.35 55.6,54.075 48.55,54.075 47.775,54.85 47.4,54.85 47.1,55.15 ; 94.396,104.2 92.846,102.65 88.175,102.65 87.675,102.15 87.675,97.3 86,95.625 86,91.375 86.425,90.95 87.45,90.95 90.95,94.45 92.225,94.45 93.15,95.375 94.2,95.375 95.7,96.875 95.7,103.4 94.9,104.2 94.5,104.2 ; 17.3,103.425 15.3,103.425 14.075,102.2 14.075,101.3 14.425,100.95 14.425,99.125 17.65,95.9 17.65,94.9 16.5,93.75 10.975,93.75 9.6,92.375 9.6,79.85 12.225,77.225 13.175,77.225 17.2,73.2 24.05,73.2 33.1,64.15
  text "5" at 118.5,118.75 h0.76 r90
L6-PWR (plane layer: these items are gaps in the copper):
  rectangle: 117.5,114.75 118.75,119.5
  rectangle: 117.5,120.5 118.75,124.5
  lines w0.203: 10.725,93.4 11.85,94.525 11.85,103.525 12.6,104.275 12.6,112.15 15.75,115.3 26.05,115.3 29,112.35 29,110.65 29.85,109.8 30.825,109.8 31.1,110.075 31.1,110.65 32.35,111.9 35.975,111.9 37.925,113.85 37.925,116 34.45,119.475 12.75,119.475 6.975,113.7 6.975,98.225 4.5,95.75 4.5,74.675 7.575,71.6 9.875,71.6 15.075,66.4 26.125,66.4 29.25,63.275 29.25,62.7 31.15,60.8 35.2,60.8 35.85,60.15 35.85,53.325 38.3,50.875 38.6,50.875 39.525,49.95 45.575,49.95 45.575,53.275 46.325,54.025 46.775,54.025 47.1,54.35 47.1,55.303 47.1,61.75 47.1,63.4 ; 27.525,119.475 27.525,124.75 32.375,129.6 36.5,129.6 43.85,122.25 43.85,109.329 38.95,104.429 ; 30.275,127.5 28.9,128.875 28.9,132.5 29.45,133.05 30.6,133.05 32.125,134.575 34.5,134.575 38.375,138.45 40.9,138.45 41.75,137.6 41.75,131.15 38.375,127.775 ; 45.575,49.925 45.675,49.825 47.9,49.825 49.225,51.15 49.225,53.825 48.775,54.275 48.775,58.7 ; 47.1,63.547 47.1,64.225 46.725,64.6 33.3,64.6 24.75,73.15 16.3,73.15 14.125,75.325 11.875,75.325 9.15,78.05 9.15,91.9 10.65,93.4 16.875,93.4 18.85,95.375 30.85,95.375 33.225,97.75 33.225,102.9 34.65,104.325 38.95,104.325 49.4,93.875 74.125,93.875 75.525,92.475 75.525,78.525 64.75,67.75 59,67.75 58.05,66.8 ; 48.675,50.525 48.95,50.25 55.725,50.25 56.1,49.875 58.425,49.875 60.5,51.95 60.5,64.35 58.05,66.8 ; 48.775,58.4 48.775,58.7 ; 80.596,49.454 80.596,49.921 83.4,52.725 86.025,52.725 87.275,53.975 90.275,53.975 91.693,52.557 99.482,52.557 99.775,52.85 99.775,55.975 104.95,61.15 104.95,62.55 105.25,62.85 105.975,62.85 106.575,62.25 106.575,60.55 101.875,55.85 101.875,51.725 100.175,50.025 93.325,50.025 92.45,50.9 90.925,50.9 90.875,50.9 90.3,50.325 90.3,45.675 85.775,41.15 84.1,41.15 83.775,41.475 83.775,46.75 82.475,48.05 81.25,48.05 80.6,48.7 80.6,49.375 80.6,49.771 80.596,49.775 ; 95.85,30.125 97.925,30.125 100.2,27.85 100.2,26.575 99,25.375 99,23.925 100.55,22.375 100.55,20.55 99.825,19.825 97.325,19.825 96.225,20.925 96.225,23.85 95.55,24.525 95.55,26.275 92.825,29 92,29.825 90.325,29.825 89.825,30.325 89.825,31.375 90.55,32.1 93.4,32.1 94.175,31.325 94.175,30.625 94.675,30.125 96,30.125 ; 48.775,58.7 48.975,58.9 50.875,58.9 51.125,58.65 51.125,56.675 51.3,56.5 53.225,56.5 53.5,56.775 53.5,63.45 53.5,65.1 53.7,65.3 55.725,65.3 55.9,65.475 55.9,66.125 56.575,66.8 58.05,66.8 ; 13.075,51.175 13.075,57.95 14.025,58.9 15.925,58.9 17.6,60.575 18.55,60.575 18.75,60.375 26.575,60.375 27.9,59.05 27.9,57.7 29.6,56 29.6,50.175 29.6,48.55 28.675,47.625 26.55,47.625 25.65,48.525 18.5,48.525 17.925,47.95 14.5,47.95 13.925,48.525 13.925,50.325 13.075,51.175 ; 53.15,20.825 53.9,20.075 66.35,20.075 68.775,22.5 77.65,22.5 78.475,23.325 78.475,24.425 77.775,25.125 76.65,25.125 75.925,25.85 75.925,33.05 76.175,33.3 76.175,34.575 75.975,34.775 75.4,34.775 75.175,34.775 74.825,34.425 74.825,30.3 74.25,29.725 74.25,26 73.375,25.125 72.05,25.125 71.25,25.925 63.8,25.925 62.275,27.45 62.275,33.375 59.575,36.075 57.6,36.075 56.3,34.775 56.3,27.075 53.15,23.925 53.15,20.825 ; 76.55,114.55 76.55,123.2 77.35,124 79.7,124 81.575,125.875 85.5,125.875 86,125.375 86,123.775 85.55,123.325 82.3,123.325 81.4,122.425 81.4,114.275 82.85,112.825 90.275,112.825 91.5,111.6 94.3,111.6 94.675,111.225 94.675,110.475 94.2,110 82.311,110 82.25,110 80.525,111.725 78.825,111.725 78.35,112.2 78.35,112.75 76.55,114.55 ; 89.125,12.675 89.125,15.375 89.475,15.725 90.6,15.725 90.75,15.875 92,15.875 92.4,15.475 92.4,13 97.45,7.95 97.45,6.4 96.875,5.825 96.2,5.825 95.825,6.2 95.725,6.2 94.15,7.775 90.325,7.775 89.75,8.35 89.75,9.775 90.675,10.7 90.675,11.125 89.125,12.675
  lines w0.254: 93.9,105.625 93.9,106.575 94.9,107.575 97.275,107.575 99.625,105.225 99.625,103.15 100.425,102.35 101.55,102.35 102.025,101.875 102.025,100.075 99.725,97.775 99.725,97.025 97.425,94.725 97.425,93.85 96.3,92.725 ; 96.875,102.25 96.875,104.35 95.6,105.625 91.425,105.625 91.025,105.225 91.025,104.575 90.4,103.95 89.825,103.95 88,102.125 88,99.075 89.425,97.65 89.425,92.875 91.25,91.05 95.65,91.05 96.375,91.775 96.375,92.65 94.95,94.075 ; 94.95,94.075 94.275,93.4 93.075,93.4 92.65,93.825 92.65,94.55 96.325,98.225 96.325,101.7 96.9,102.275 97.65,102.275 99.125,100.8 99.125,99.375 94.95,95.2 94.95,94.075
  text "6" at 118.5,119.75 h0.76 r90
L9-GND (plane layer: these items are gaps in the copper):
  rectangle: 117.5,114.75 118.75,122.5
  rectangle: 117.5,123.5 118.75,124.5
  text "9" at 118.5,122.75 h0.76 r90

## Silkscreen, mask and mechanical layers (free items; w line width, h text height)
Top Overlay:
  circle w0.127: c64.767,41.15 r0.583
  lines w0.2: 81.667,77.769 ccw(c82.535,77.769) 82.535,76.902 89.795,76.902 ccw(c89.795,77.918) 90.811,77.918 90.811,82.49 ccw(c89.795,82.49) 89.795,83.506 82.683,83.506 ccw(c82.683,82.49) 81.667,82.49 81.667,77.769
  text "LVDS LCD" at 75.7,141.5 h0.76
  text "charger connector (not SATA)" at 49,140.6 h0.76 r180
  text "user" at 10.3,136.1 h0.76 r90
  text "uart4" at 6,135.7 h0.76 r90
  text "debug" at 4.2,135.2 h0.76 r270
  text "100BaseT" at 113.3,128.8 h0.76
  text "reset" at 10.3,128.5 h0.76 r90
  text "uart3" at 4.2,122 h0.76 r270
  text "power" at 10.3,121.2 h0.76 r90
  text "1000BaseT" at 113.3,108.3 h0.76
  text "HDMI" at 116.1,87.4 h0.76
  text "Novena EVT1-A" at 92,82.5 h0.76
  text "Designed in" at 92,80.1 h0.76
  text "Singapore" at 92,78.7 h0.76
  text "10/12" at 92,76.9 h0.76
  text "Sutajio Ko-Usagi Pte Ltd" at 81.7,75.4 h0.76
  text "OTG" at 115.2,60.8 h0.76 r90
  text "c bunnie@kosagi.com" at 64.5,40.9 h0.76
  text "CC3.0-BY-SA + XL1.0" at 64.2,39.4 h0.76
  text "EXT1" at 116,38.3 h0.76
  text "EXT2" at 116,20.3 h0.76
Bottom Overlay:
  rectangle: 1.3,13.6 5.2,29.1
  text "S/N:" at 4,10.4 h0.76 r270
Mechanical 1:
  lines w0.2: 123.2,-7 123.2,150
Mechanical 2:
  lines w0.1: -43.3,23.4 26.7,23.4 26.7,123.4 -43.3,123.4 ; -43.3,23.4 -43.3,123.4 ; -43.3,23.4 121.7,23.4 121.7,123.4 -43.3,123.4
  text "2.5\" HDD outline" at -43.3,125.4 h2
  text "7\" 16:9 LCD outline" at 77.7,125.4 h2
Mechanical 3:
  drawing of 359 lines, arcs and shapes, not listed
  text "Board name: Novena EVT1 - A" at 138.959,142.247 h1
  text "Contact: bunnie@kosagi.com (preferred)" at 138.959,139.707 h1
  text "+65 9733 6927 (mobile voice and SMS)" at 147.849,137.167 h1
  text "+1 858 837 2074 (SMS only)" at 147.849,134.627 h1
  text "Mech via: 8 mil hole / 16 mil pad smallest" at 139.209,131.587 h0.76
  text "Route: 3.25mil / 4mil smallest" at 139.209,129.047 h0.76
  text "File name extensions:" at 134.7,122.4 h1.52
  text "Material and thickness" at 173.8,122.2 h1.27
  text "Trace width and impedance" at 229.1,122 h1.27
  text "(top solder paste)" at 201,115 h0.76
  text ".GTP" at 146.9,114.9 h1.52
  text "Overall tolerance: +/- 10% for impedance" at 229.5,113.4 h0.76
  text ".GTO" at 146.9,111 h1.52
  text "Silk: white" at 201.1,110.5 h0.76
  text "Silkscreen" at 172.609,110.437 h0.76
  text "Soldermask: green" at 198.9,107.9 h0.76
  text "Soldermask, 0.8 mil" at 172.509,107.737 h0.76
  text ".GTS" at 146.8,107.5 h1.52
  text "Finish: immersion gold" at 198.8,105.3 h0.76
  text ".GTL" at 146.7,102.9 h1.52
  text "Copper+plating, 1.7mil" at 172.4,102.7 h0.76
  text "Top-bottom hole pair" at 190.3,102.6 h0.76 r45
  text "3.76mil = 50 ohm" at 229.8,100.8 h0.76
  text "3.25 mil / 8.75 mil space = 100 ohm diff" at 229.8,99.1 h0.76
  text "Prepreg" at 162.3,98.5 h0.76
  text "NP-175, 2.6mil" at 172.5,98.4 h0.76
  text "(Outer signal layers)" at 259.6,98.2 h0.76
  text "3.75 mil / 5.25 mil space = 90 ohm diff" at 229.8,97.4 h0.76
  text "Plane" at 229.9,94.9 h0.76
  text ".GP1" at 146.7,94.8 h1.52
  text "Copper, 1.4mil" at 172.4,94.7 h0.76
  text "NP-175, 3mil" at 172.552,91.152 h0.76
  text "Core" at 162.427,91.127 h0.76
  text "3.76mil = 50 ohm" at 229.7,89.9 h0.76
  text "Copper 0.7mil" at 172.4,87.6 h0.76
  text ".G1" at 146.6,87.5 h1.52
  text "Prepreg" at 162.24,85 h0.76
  text "NP-175, 7.6mil" at 172.4,85 h0.76
  text "3.99 mil / 5.5 mil space = 90 ohm diff" at 229.9,84.8 h0.76
  text "(Internal signal layers)" at 258.909,83.937 h0.76
  text "3.5 mil / 9.5 mil space = 100 ohm diff" at 229.9,83.3 h0.76
  text ".G2" at 146.7,82.2 h1.52
  text "Copper 0.7mil" at 172.4,82.1 h0.76
  text "Internal engineering notes" at 293.6,80.8 h1.52
  text "3.76mil = 50 ohm" at 229.7,79.5 h0.76
  text "NP-175, 3mil" at 172.425,78.225 h0.76
  text "Core" at 162.3,78.2 h0.76
  text "DDR3 routing" at 289.8,75.5 h1.5
  text "Plane" at 229.909,74.637 h0.76
  text "Copper, 1.4mil" at 172.4,74.1 h0.76
  text ".GP2" at 146.7,73.9 h1.52
  text "outer layers: 4mil wide / diff pair 4.25/7.75 (100/50)" at 292.05,71.15 h1.5
  text "Prepreg" at 162.24,69.4 h0.76
  text "NP-175, 19.6mil" at 172.4,69.4 h0.76
  text "Impedance requirement is symmetric across this line" at 230.409,68.437 h0.76
  text "inner layers: 4mil wide, diff pair 4.01/9" at 291.5,67.15 h1.5
  text ".GP3" at 146.7,65.5 h1.52
  text "Copper, 1.4mil" at 172.4,65.3 h0.76
  text "PCI-express routing" at 289.2,63.35 h1.5
  text "NP-175, 3mil" at 172.4,61.6 h0.76
  text "Core" at 162.275,61.575 h0.76
  text "outer layer: 4.25/7.75 diff" at 292.85,59.9 h1.5
  text "Copper 0.7mil" at 172.4,58.4 h0.76
  text ".G3" at 146.7,58.2 h1.52
  text "inner layers: diff pair 4.01/9" at 292.8,56.525 h1.5
  text "Overall height: 65 mil, +/- 10%" at 158.5,55.975 h0.76 r90
  text "Prepreg" at 162.24,55.8 h0.76
  text "NP-175, 7.6mil" at 172.4,55.8 h0.76
  text ".G4" at 146.8,52.9 h1.52
  text "Copper 0.7mil" at 172.4,52.9 h0.76
  text "USB routing" at 289.125,51.975 h1.5
  text "NP-175, 3mil" at 172.4,49.5 h0.76
  text "Core" at 162.275,49.475 h0.76
  text "outer layer: 4/5 (90/50)" at 293.125,48.325 h1.5
  text "Copper, 1.4mil" at 172.4,46.6 h0.76
  text ".GP4" at 146.7,46.4 h1.52
  text "inner layer: 4/5.5 (90/50)" at 293.421,45.496 h1.27
  text "Prepreg" at 162.3,42.8 h0.76
  text "NP-175, 2.6mil" at 172.5,42.7 h0.76
  text "SATA routing" at 289.125,41.508 h1.5
  text ".GBL" at 146.8,38.7 h1.52
  text "outer layer: 4.25/7.75 diff" at 293.125,38.458 h1.5
  text "Copper+plating, 1.7mil" at 172.4,38.3 h0.76
  text "Finish: immersion gold" at 200,36.7 h0.76
  text "Soldermask, 0.8 mil" at 172.4,34.7 h0.76
  text "LVDS LCD routing:" at 288.775,34.658 h1.5
  text "Soldermask: green" at 200,34.6 h0.76
  text ".GBS" at 146.9,33.9 h1.52
  text "inner layer: 4.01/9" at 291.825,31.408 h1.5
  text "Silkscreen" at 172.4,30.1 h0.76
  text "Silk: white" at 200.1,30 h0.76
  text ".GBO" at 146.9,29.4 h1.52
  text "outer layer: 4.25/7.75 diff" at 292.425,28.758 h1.5
  text "Ethernet:" at 289.325,26.108 h1.5
  text "(bottom solder paste)" at 200.1,25.3 h0.76
  text ".GBP" at 146.9,24.9 h1.52
  text "Inner layer: 4 mil" at 292.175,23.058 h1.5
  text "Board outline (route on centerline of thick lines)" at 185.8,18.7 h0.76
  text ".GKO" at 146.9,18.4 h1.52
Drill Drawing:
  text ".LEGEND" at 131.08,3.58 h1.52
  text "Drill Drawing." at 131.08,1.04 h1.52

## Dimensions
0,0 to 121,0 on Mechanical 3
121,0 to 121,150 on Mechanical 3
13.835,149.85 to 57.365,149.85 on Mechanical 3
56.365,143.9 to 57.515,150 on Mechanical 3

## Text inside footprints (layer, text, board x,y; h text height)
BT10P: Top Overlay "+" at 73.125,119.8 h0.89 r270
J10N: Mechanical 1 "careful of bottom-top asymmetry" at 48.4,147.6 h0.89 r180
JP10M: Top Overlay "204" at 9,80.7 h1.02 r90; Top Overlay "203" at 9,88.4 h1.02 r90; Top Overlay "2" at 71.975,79.1 h1.02; Top Overlay "1" at 72.45,91.7 h1.02
P10B: Top Overlay "16" at 55.796,5.718 h1.27 r180; Top Overlay "15" at 55.796,8.258 h1.27 r180; Top Overlay "1" at 77.64,8.258 h1.27 r180; Top Overlay "2" at 77.64,5.718 h1.27 r180
P12F: Top Overlay "16" at 15.748,29.464 h1.27 r90; Top Overlay "15" at 18.288,29.464 h1.27 r90; Top Overlay "1" at 18.288,7.62 h1.27 r90; Top Overlay "2" at 15.748,7.62 h1.27 r90
P13D: Top Overlay "2" at 12.7,4.572 h1.27; Top Overlay "1" at 12.7,2.032 h1.27; Top Overlay "25" at 47.244,2.032 h1.27; Top Overlay "26" at 47.244,4.572 h1.27
P14F: Top Overlay "16" at 28.448,29.464 h1.27 r90; Top Overlay "15" at 30.988,29.464 h1.27 r90; Top Overlay "1" at 30.988,7.62 h1.27 r90; Top Overlay "2" at 28.448,7.62 h1.27 r90
P14U: Top Overlay "2" at 85.918,4.532 h1.27; Top Overlay "1" at 85.918,1.992 h1.27; Top Overlay "7" at 97.094,1.992 h1.27; Top Overlay "8" at 97.094,4.532 h1.27
P15F: Top Overlay "16" at 43.688,29.464 h1.27 r90; Top Overlay "15" at 46.228,29.464 h1.27 r90; Top Overlay "1" at 46.228,7.62 h1.27 r90; Top Overlay "2" at 43.688,7.62 h1.27 r90
P16D: Top Overlay "2" at 4.572,71.12 h1.27 r270; Top Overlay "1" at 2.032,71.12 h1.27 r270; Top Overlay "15" at 2.032,49.276 h1.27 r270; Top Overlay "16" at 4.572,49.276 h1.27 r270
U10D: Mechanical 2 "No traces" at 74.8,76.2 h0.25